# Altium PCB usb_can_8.PcbDoc (part 1 of 4) (continued)
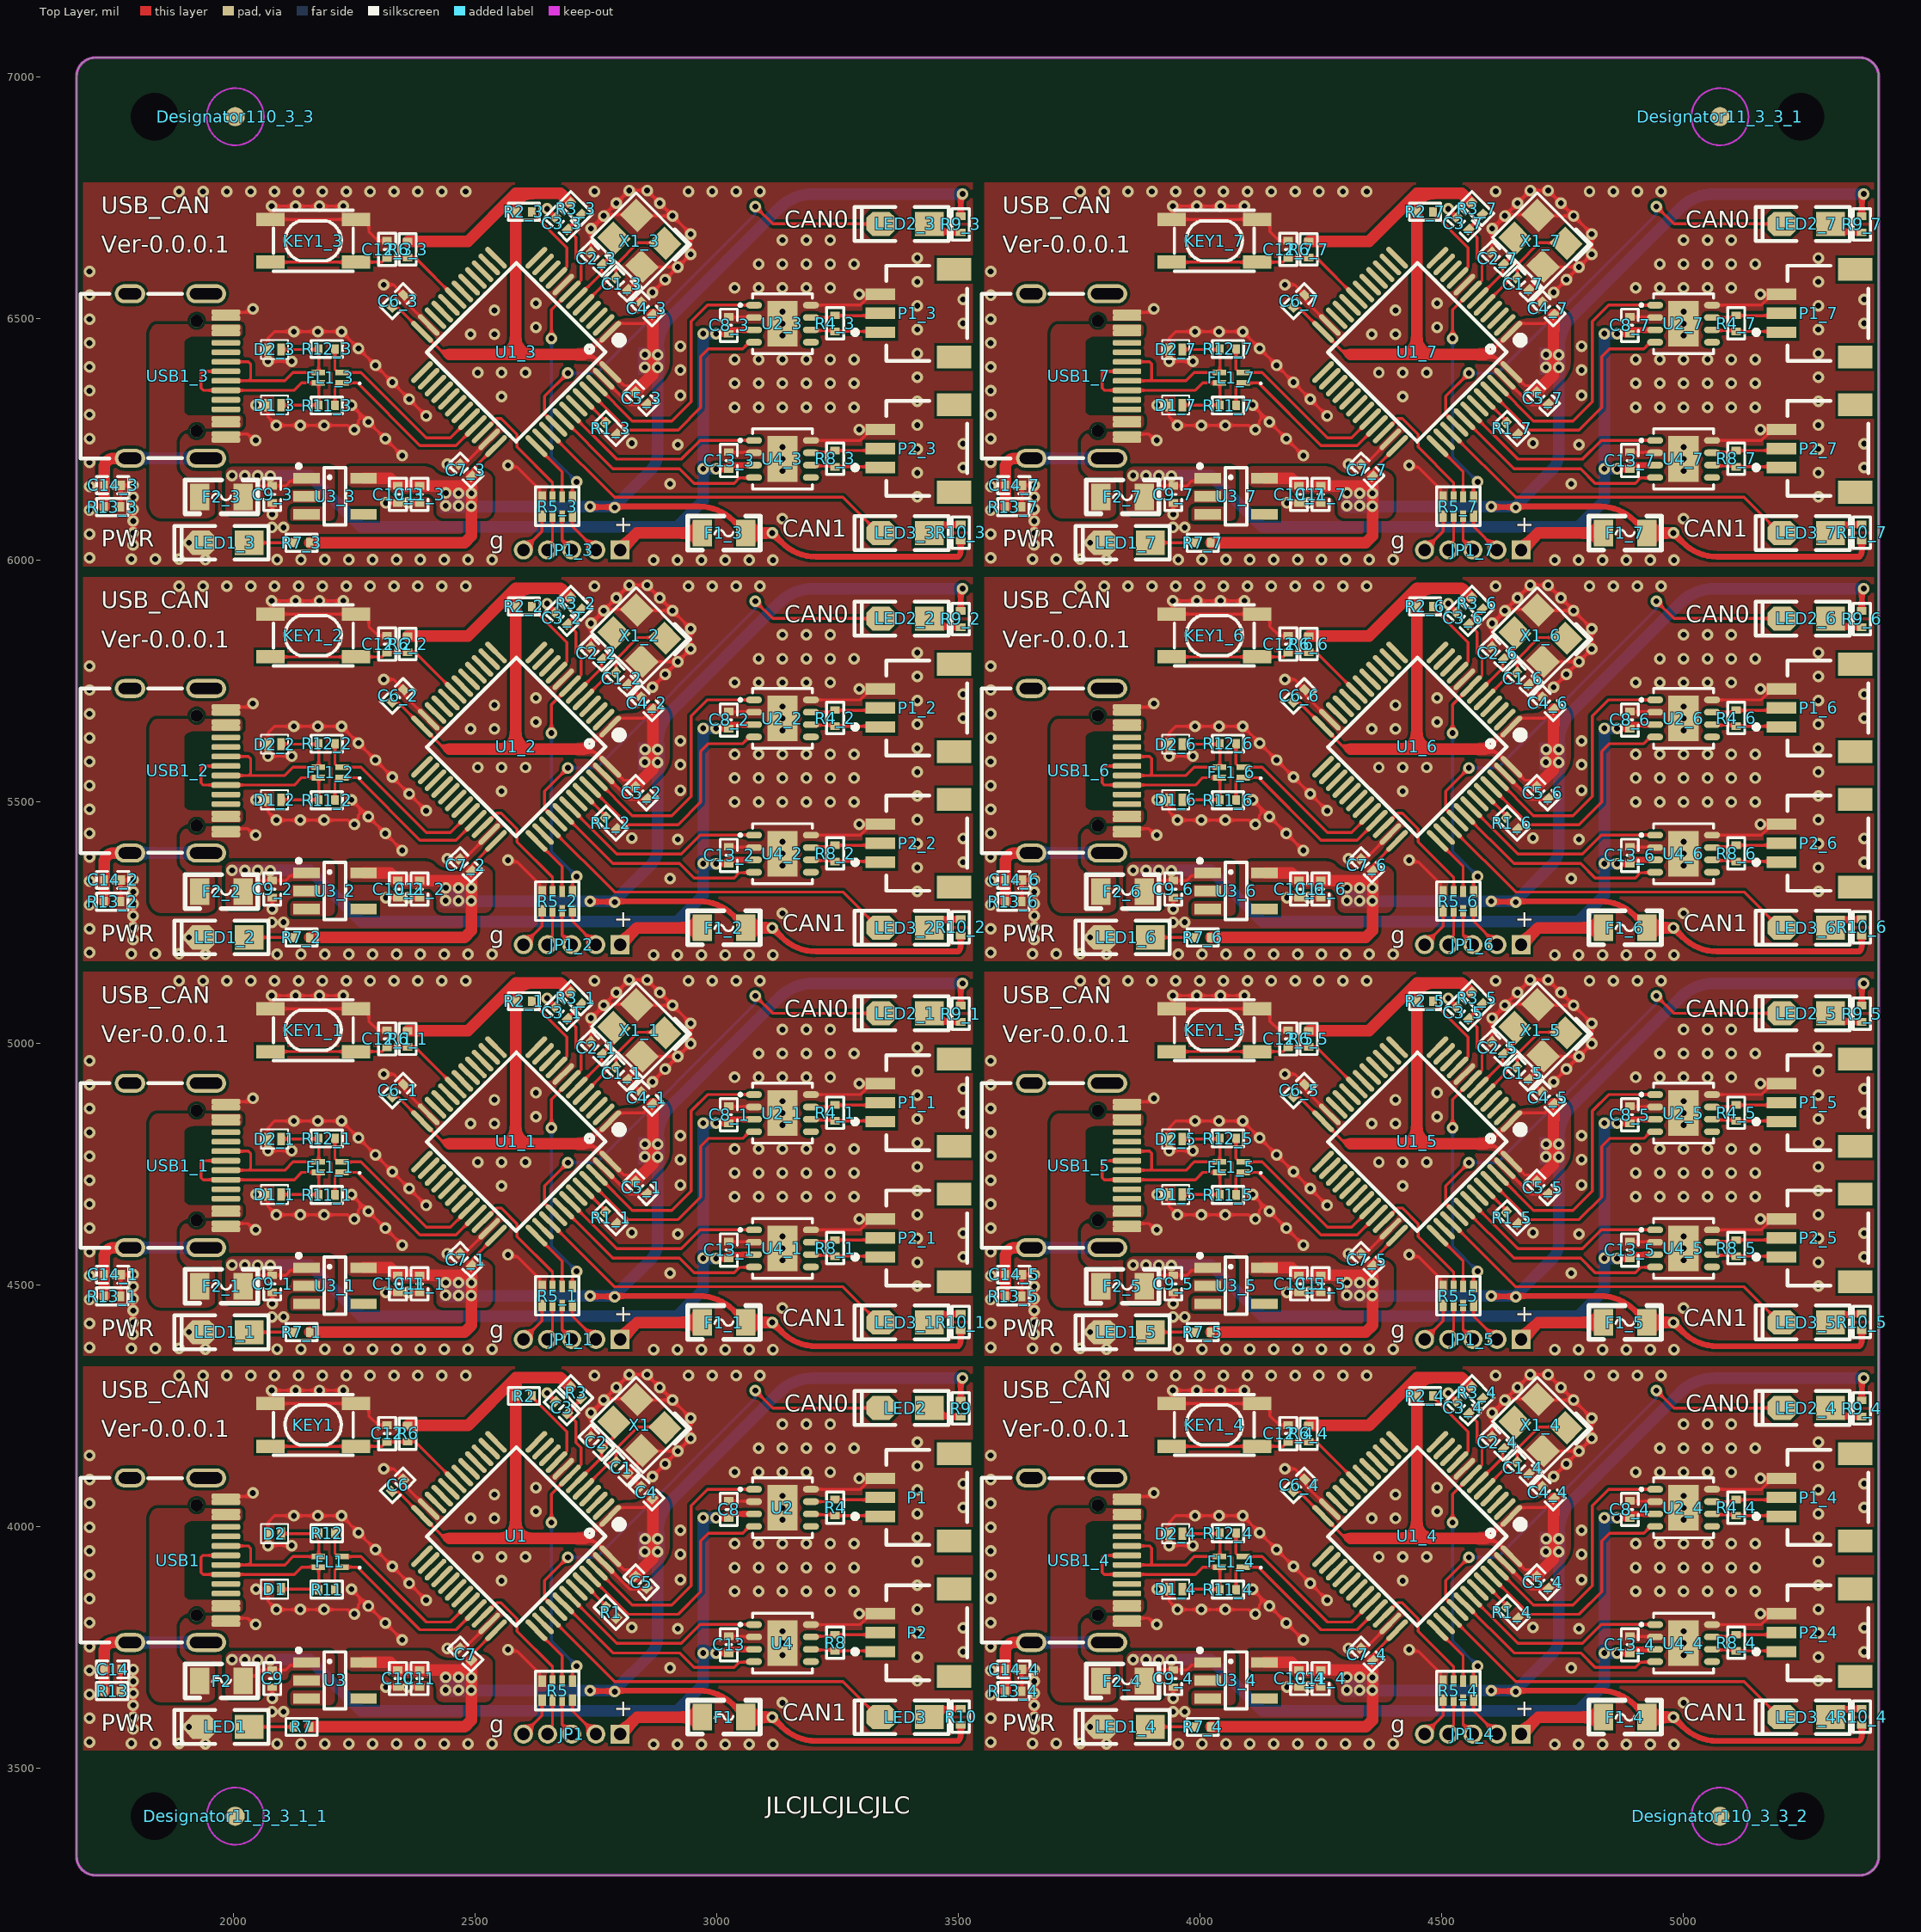
[diagram p0: Top Layer view]
## Components (designator, comment, footprint, x,y, rotation, side; value= is the part's Value field where it differs from the comment) (continued)
F1_2 "MSMD200-8V 2A" "FU 0805" 3015,5239 r180 top (schematic designator F1)
F1_3 "MSMD200-8V 2A" "FU 0805" 3015,6056 r180 top (schematic designator F1)
F1_4 "MSMD200-8V 2A" "FU 0805" 4880,3605 r180 top (schematic designator F1)
F1_5 "MSMD200-8V 2A" "FU 0805" 4880,4422 r180 top (schematic designator F1)
F1_6 "MSMD200-8V 2A" "FU 0805" 4880,5239 r180 top (schematic designator F1)
F1_7 "MSMD200-8V 2A" "FU 0805" 4880,6056 r180 top (schematic designator F1)
F2 "MSMD200-8V 2A" "FU 0805" 1975,3680 r0 top
F2_1 "MSMD200-8V 2A" "FU 0805" 1975,4497 r0 top (schematic designator F2)
F2_2 "MSMD200-8V 2A" "FU 0805" 1975,5314 r0 top (schematic designator F2)
F2_3 "MSMD200-8V 2A" "FU 0805" 1975,6131 r0 top (schematic designator F2)
F2_4 "MSMD200-8V 2A" "FU 0805" 3840,3680 r0 top (schematic designator F2)
F2_5 "MSMD200-8V 2A" "FU 0805" 3840,4497 r0 top (schematic designator F2)
F2_6 "MSMD200-8V 2A" "FU 0805" 3840,5314 r0 top (schematic designator F2)
F2_7 "MSMD200-8V 2A" "FU 0805" 3840,6131 r0 top (schematic designator F2)
FL1 "DLP11SN900HL2B" DLP11SA350HL2B 2200,3926.58 r180 top
FL1_1 "DLP11SN900HL2B" DLP11SA350HL2B 2200,4743.58 r180 top (schematic designator FL1)
FL1_2 "DLP11SN900HL2B" DLP11SA350HL2B 2200,5560.58 r180 top (schematic designator FL1)
FL1_3 "DLP11SN900HL2B" DLP11SA350HL2B 2200,6377.58 r180 top (schematic designator FL1)
FL1_4 "DLP11SN900HL2B" DLP11SA350HL2B 4065,3926.58 r180 top (schematic designator FL1)
FL1_5 "DLP11SN900HL2B" DLP11SA350HL2B 4065,4743.58 r180 top (schematic designator FL1)
FL1_6 "DLP11SN900HL2B" DLP11SA350HL2B 4065,5560.58 r180 top (schematic designator FL1)
FL1_7 "DLP11SN900HL2B" DLP11SA350HL2B 4065,6377.58 r180 top (schematic designator FL1)
JP1 "HDR-1X5" HDR-TH_5P-P1.27-V-M 2800,3570 r180 top
JP1_1 "HDR-1X5" HDR-TH_5P-P1.27-V-M 2800,4387 r180 top (schematic designator JP1)
JP1_2 "HDR-1X5" HDR-TH_5P-P1.27-V-M 2800,5204 r180 top (schematic designator JP1)
JP1_3 "HDR-1X5" HDR-TH_5P-P1.27-V-M 2800,6021 r180 top (schematic designator JP1)
JP1_4 "HDR-1X5" HDR-TH_5P-P1.27-V-M 4665,3570 r180 top (schematic designator JP1)
JP1_5 "HDR-1X5" HDR-TH_5P-P1.27-V-M 4665,4387 r180 top (schematic designator JP1)
JP1_6 "HDR-1X5" HDR-TH_5P-P1.27-V-M 4665,5204 r180 top (schematic designator JP1)
JP1_7 "HDR-1X5" HDR-TH_5P-P1.27-V-M 4665,6021 r180 top (schematic designator JP1)
KEY1 "KEY_SMD" SMD-3.2*4.2 2165,4210 r180 top
KEY1_1 "KEY_SMD" SMD-3.2*4.2 2165,5027 r180 top (schematic designator KEY1)
KEY1_2 "KEY_SMD" SMD-3.2*4.2 2165,5844 r180 top (schematic designator KEY1)
KEY1_3 "KEY_SMD" SMD-3.2*4.2 2165,6661 r180 top (schematic designator KEY1)
KEY1_4 "KEY_SMD" SMD-3.2*4.2 4030,4210 r180 top (schematic designator KEY1)
KEY1_5 "KEY_SMD" SMD-3.2*4.2 4030,5027 r180 top (schematic designator KEY1)
KEY1_6 "KEY_SMD" SMD-3.2*4.2 4030,5844 r180 top (schematic designator KEY1)
KEY1_7 "KEY_SMD" SMD-3.2*4.2 4030,6661 r180 top (schematic designator KEY1)
LED1 "红色" "LED 0805R" 1982.5,3585 r180 top
LED1_1 "红色" "LED 0805R" 1982.5,4402 r180 top (schematic designator LED1)
LED1_2 "红色" "LED 0805R" 1982.5,5219 r180 top (schematic designator LED1)
LED1_3 "红色" "LED 0805R" 1982.5,6036 r180 top (schematic designator LED1)
LED1_4 "红色" "LED 0805R" 3847.5,3585 r180 top (schematic designator LED1)
LED1_5 "红色" "LED 0805R" 3847.5,4402 r180 top (schematic designator LED1)
LED1_6 "红色" "LED 0805R" 3847.5,5219 r180 top (schematic designator LED1)
LED1_7 "红色" "LED 0805R" 3847.5,6036 r180 top (schematic designator LED1)
LED2 "蓝色" "LED 0805B" 3390,4245 r180 top
LED2_1 "蓝色" "LED 0805B" 3390,5062 r180 top (schematic designator LED2)
LED2_2 "蓝色" "LED 0805B" 3390,5879 r180 top (schematic designator LED2)
LED2_3 "蓝色" "LED 0805B" 3390,6696 r180 top (schematic designator LED2)
LED2_4 "蓝色" "LED 0805B" 5255,4245 r180 top (schematic designator LED2)
LED2_5 "蓝色" "LED 0805B" 5255,5062 r180 top (schematic designator LED2)
LED2_6 "蓝色" "LED 0805B" 5255,5879 r180 top (schematic designator LED2)
LED2_7 "蓝色" "LED 0805B" 5255,6696 r180 top (schematic designator LED2)
LED3 "蓝色" "LED 0805B" 3390,3605 r180 top
LED3_1 "蓝色" "LED 0805B" 3390,4422 r180 top (schematic designator LED3)
LED3_2 "蓝色" "LED 0805B" 3390,5239 r180 top (schematic designator LED3)
LED3_3 "蓝色" "LED 0805B" 3390,6056 r180 top (schematic designator LED3)
LED3_4 "蓝色" "LED 0805B" 5255,3605 r180 top (schematic designator LED3)
LED3_5 "蓝色" "LED 0805B" 5255,4422 r180 top (schematic designator LED3)
LED3_6 "蓝色" "LED 0805B" 5255,5239 r180 top (schematic designator LED3)
LED3_7 "蓝色" "LED 0805B" 5255,6056 r180 top (schematic designator LED3)
P1 "CAN0" JST-SM03B-SRSS-TB_V 3435,4060 r90 top
P1_1 "CAN0" JST-SM03B-SRSS-TB_V 3435,4877 r90 top (schematic designator P1)
P1_2 "CAN0" JST-SM03B-SRSS-TB_V 3435,5694 r90 top (schematic designator P1)
P1_3 "CAN0" JST-SM03B-SRSS-TB_V 3435,6511 r90 top (schematic designator P1)
P1_4 "CAN0" JST-SM03B-SRSS-TB_V 5300,4060 r90 top (schematic designator P1)
P1_5 "CAN0" JST-SM03B-SRSS-TB_V 5300,4877 r90 top (schematic designator P1)
P1_6 "CAN0" JST-SM03B-SRSS-TB_V 5300,5694 r90 top (schematic designator P1)
P1_7 "CAN0" JST-SM03B-SRSS-TB_V 5300,6511 r90 top (schematic designator P1)
P2 "CAN0" JST-SM03B-SRSS-TB_V 3435,3780 r90 top
P2_1 "CAN0" JST-SM03B-SRSS-TB_V 3435,4597 r90 top (schematic designator P2)
P2_2 "CAN0" JST-SM03B-SRSS-TB_V 3435,5414 r90 top (schematic designator P2)
P2_3 "CAN0" JST-SM03B-SRSS-TB_V 3435,6231 r90 top (schematic designator P2)
P2_4 "CAN0" JST-SM03B-SRSS-TB_V 5300,3780 r90 top (schematic designator P2)
P2_5 "CAN0" JST-SM03B-SRSS-TB_V 5300,4597 r90 top (schematic designator P2)
P2_6 "CAN0" JST-SM03B-SRSS-TB_V 5300,5414 r90 top (schematic designator P2)
P2_7 "CAN0" JST-SM03B-SRSS-TB_V 5300,6231 r90 top (schematic designator P2)
R1 "10K" "R 0402_L" 2780.43,3822.5 r315 top
R1_1 "10K" "R 0402_L" 2780.43,4639.5 r315 top (schematic designator R1)
R1_2 "10K" "R 0402_L" 2780.43,5456.5 r315 top (schematic designator R1)
R1_3 "10K" "R 0402_L" 2780.43,6273.5 r315 top (schematic designator R1)
R1_4 "10K" "R 0402_L" 4645.43,3822.5 r315 top (schematic designator R1)
R1_5 "10K" "R 0402_L" 4645.43,4639.5 r315 top (schematic designator R1)
R1_6 "10K" "R 0402_L" 4645.43,5456.5 r315 top (schematic designator R1)
R1_7 "10K" "R 0402_L" 4645.43,6273.5 r315 top (schematic designator R1)
R2 "0R" "R 0402_L" 2600,4270 r0 top
R2_1 "0R" "R 0402_L" 2600,5087 r0 top (schematic designator R2)
R2_2 "0R" "R 0402_L" 2600,5904 r0 top (schematic designator R2)
R2_3 "0R" "R 0402_L" 2600,6721 r0 top (schematic designator R2)
R2_4 "0R" "R 0402_L" 4465,4270 r0 top (schematic designator R2)
R2_5 "0R" "R 0402_L" 4465,5087 r0 top (schematic designator R2)
R2_6 "0R" "R 0402_L" 4465,5904 r0 top (schematic designator R2)
R2_7 "0R" "R 0402_L" 4465,6721 r0 top (schematic designator R2)
R3 "10K" "R 0402_L" 2709,4276 r135 top
R3_1 "10K" "R 0402_L" 2709,5093 r135 top (schematic designator R3)
R3_2 "10K" "R 0402_L" 2709,5910 r135 top (schematic designator R3)
R3_3 "10K" "R 0402_L" 2709,6727 r135 top (schematic designator R3)
R3_4 "10K" "R 0402_L" 4574,4276 r135 top (schematic designator R3)
R3_5 "10K" "R 0402_L" 4574,5093 r135 top (schematic designator R3)
R3_6 "10K" "R 0402_L" 4574,5910 r135 top (schematic designator R3)
R3_7 "10K" "R 0402_L" 4574,6727 r135 top (schematic designator R3)
R4 "120R" "R 0402_L" 3245,4040 r270 top
R4_1 "120R" "R 0402_L" 3245,4857 r270 top (schematic designator R4)
R4_2 "120R" "R 0402_L" 3245,5674 r270 top (schematic designator R4)
R4_3 "120R" "R 0402_L" 3245,6491 r270 top (schematic designator R4)
R4_4 "120R" "R 0402_L" 5110,4040 r270 top (schematic designator R4)
R4_5 "120R" "R 0402_L" 5110,4857 r270 top (schematic designator R4)
R4_6 "120R" "R 0402_L" 5110,5674 r270 top (schematic designator R4)
R4_7 "120R" "R 0402_L" 5110,6491 r270 top (schematic designator R4)
R5 "0R" RCA-8P4R-0402 2670,3660 r180 top
R5_1 "0R" RCA-8P4R-0402 2670,4477 r180 top (schematic designator R5)
R5_2 "0R" RCA-8P4R-0402 2670,5294 r180 top (schematic designator R5)
R5_3 "0R" RCA-8P4R-0402 2670,6111 r180 top (schematic designator R5)
R5_4 "0R" RCA-8P4R-0402 4535,3660 r180 top (schematic designator R5)
R5_5 "0R" RCA-8P4R-0402 4535,4477 r180 top (schematic designator R5)
R5_6 "0R" RCA-8P4R-0402 4535,5294 r180 top (schematic designator R5)
R5_7 "0R" RCA-8P4R-0402 4535,6111 r180 top (schematic designator R5)
R6 "10K" "R 0402_L" 2360.36,4193.05 r270 top
R6_1 "10K" "R 0402_L" 2360.36,5010.05 r270 top (schematic designator R6)
R6_2 "10K" "R 0402_L" 2360.36,5827.05 r270 top (schematic designator R6)
R6_3 "10K" "R 0402_L" 2360.36,6644.05 r270 top (schematic designator R6)
R6_4 "10K" "R 0402_L" 4225.36,4193.05 r270 top (schematic designator R6)
R6_5 "10K" "R 0402_L" 4225.36,5010.05 r270 top (schematic designator R6)
R6_6 "10K" "R 0402_L" 4225.36,5827.05 r270 top (schematic designator R6)
R6_7 "10K" "R 0402_L" 4225.36,6644.05 r270 top (schematic designator R6)
R7 "10K" "R 0402_L" 2140,3585 r0 top
R7_1 "10K" "R 0402_L" 2140,4402 r0 top (schematic designator R7)
R7_2 "10K" "R 0402_L" 2140,5219 r0 top (schematic designator R7)
R7_3 "10K" "R 0402_L" 2140,6036 r0 top (schematic designator R7)
R7_4 "10K" "R 0402_L" 4005,3585 r0 top (schematic designator R7)
R7_5 "10K" "R 0402_L" 4005,4402 r0 top (schematic designator R7)
R7_6 "10K" "R 0402_L" 4005,5219 r0 top (schematic designator R7)
R7_7 "10K" "R 0402_L" 4005,6036 r0 top (schematic designator R7)
R8 "120R" "R 0402_L" 3245,3760 r270 top
R8_1 "120R" "R 0402_L" 3245,4577 r270 top (schematic designator R8)
R8_2 "120R" "R 0402_L" 3245,5394 r270 top (schematic designator R8)
R8_3 "120R" "R 0402_L" 3245,6211 r270 top (schematic designator R8)
R8_4 "120R" "R 0402_L" 5110,3760 r270 top (schematic designator R8)
R8_5 "120R" "R 0402_L" 5110,4577 r270 top (schematic designator R8)
R8_6 "120R" "R 0402_L" 5110,5394 r270 top (schematic designator R8)
R8_7 "120R" "R 0402_L" 5110,6211 r270 top (schematic designator R8)
R9 "10K" "R 0402_L" 3505,4245 r270 top
R9_1 "10K" "R 0402_L" 3505,5062 r270 top (schematic designator R9)
R9_2 "10K" "R 0402_L" 3505,5879 r270 top (schematic designator R9)
R9_3 "10K" "R 0402_L" 3505,6696 r270 top (schematic designator R9)
R9_4 "10K" "R 0402_L" 5370,4245 r270 top (schematic designator R9)
R9_5 "10K" "R 0402_L" 5370,5062 r270 top (schematic designator R9)
R9_6 "10K" "R 0402_L" 5370,5879 r270 top (schematic designator R9)
R9_7 "10K" "R 0402_L" 5370,6696 r270 top (schematic designator R9)
R10 "10K" "R 0402_L" 3505,3605 r90 top
R10_1 "10K" "R 0402_L" 3505,4422 r90 top (schematic designator R10)
R10_2 "10K" "R 0402_L" 3505,5239 r90 top (schematic designator R10)
R10_3 "10K" "R 0402_L" 3505,6056 r90 top (schematic designator R10)
R10_4 "10K" "R 0402_L" 5370,3605 r90 top (schematic designator R10)
R10_5 "10K" "R 0402_L" 5370,4422 r90 top (schematic designator R10)
R10_6 "10K" "R 0402_L" 5370,5239 r90 top (schematic designator R10)
R10_7 "10K" "R 0402_L" 5370,6056 r90 top (schematic designator R10)
R11 "22R" "R 0402_L" 2194.08,3869.06 r180 top
R11_1 "22R" "R 0402_L" 2194.08,4686.06 r180 top (schematic designator R11)
R11_2 "22R" "R 0402_L" 2194.08,5503.06 r180 top (schematic designator R11)
R11_3 "22R" "R 0402_L" 2194.08,6320.06 r180 top (schematic designator R11)
R11_4 "22R" "R 0402_L" 4059.08,3869.06 r180 top (schematic designator R11)
R11_5 "22R" "R 0402_L" 4059.08,4686.06 r180 top (schematic designator R11)
R11_6 "22R" "R 0402_L" 4059.08,5503.06 r180 top (schematic designator R11)
R11_7 "22R" "R 0402_L" 4059.08,6320.06 r180 top (schematic designator R11)
R12 "22R" "R 0402_L" 2194.08,3985.93 r180 top
R12_1 "22R" "R 0402_L" 2194.08,4802.93 r180 top (schematic designator R12)
R12_2 "22R" "R 0402_L" 2194.08,5619.93 r180 top (schematic designator R12)
R12_3 "22R" "R 0402_L" 2194.08,6436.93 r180 top (schematic designator R12)
R12_4 "22R" "R 0402_L" 4059.08,3985.93 r180 top (schematic designator R12)
R12_5 "22R" "R 0402_L" 4059.08,4802.93 r180 top (schematic designator R12)
R12_6 "22R" "R 0402_L" 4059.08,5619.93 r180 top (schematic designator R12)
R12_7 "22R" "R 0402_L" 4059.08,6436.93 r180 top (schematic designator R12)
R13 "1M" "R 0402_L" 1750,3659 r180 top
R13_1 "1M" "R 0402_L" 1750,4476 r180 top (schematic designator R13)
R13_2 "1M" "R 0402_L" 1750,5293 r180 top (schematic designator R13)
R13_3 "1M" "R 0402_L" 1750,6110 r180 top (schematic designator R13)
R13_4 "1M" "R 0402_L" 3615,3659 r180 top (schematic designator R13)
R13_5 "1M" "R 0402_L" 3615,4476 r180 top (schematic designator R13)
R13_6 "1M" "R 0402_L" 3615,5293 r180 top (schematic designator R13)
R13_7 "1M" "R 0402_L" 3615,6110 r180 top (schematic designator R13)
U1 "GD32C103CBT6" LQFP-48_L7.0-W7.0-P0.50-LS9.0-BL 2585,3980 r135 top
U1_1 "GD32C103CBT6" LQFP-48_L7.0-W7.0-P0.50-LS9.0-BL 2585,4797 r135 top (schematic designator U1)
U1_2 "GD32C103CBT6" LQFP-48_L7.0-W7.0-P0.50-LS9.0-BL 2585,5614 r135 top (schematic designator U1)
U1_3 "GD32C103CBT6" LQFP-48_L7.0-W7.0-P0.50-LS9.0-BL 2585,6431 r135 top (schematic designator U1)
U1_4 "GD32C103CBT6" LQFP-48_L7.0-W7.0-P0.50-LS9.0-BL 4450,3980 r135 top (schematic designator U1)
U1_5 "GD32C103CBT6" LQFP-48_L7.0-W7.0-P0.50-LS9.0-BL 4450,4797 r135 top (schematic designator U1)
U1_6 "GD32C103CBT6" LQFP-48_L7.0-W7.0-P0.50-LS9.0-BL 4450,5614 r135 top (schematic designator U1)
U1_7 "GD32C103CBT6" LQFP-48_L7.0-W7.0-P0.50-LS9.0-BL 4450,6431 r135 top (schematic designator U1)
U2 "SIT1050TK" TDFN-8_L3.0-W3.0-P0.65-BL-EP 3136.14,4038.39 r270 top
U2_1 "SIT1050TK" TDFN-8_L3.0-W3.0-P0.65-BL-EP 3136.14,4855.39 r270 top (schematic designator U2)
U2_2 "SIT1050TK" TDFN-8_L3.0-W3.0-P0.65-BL-EP 3136.14,5672.39 r270 top (schematic designator U2)
U2_3 "SIT1050TK" TDFN-8_L3.0-W3.0-P0.65-BL-EP 3136.14,6489.39 r270 top (schematic designator U2)
U2_4 "SIT1050TK" TDFN-8_L3.0-W3.0-P0.65-BL-EP 5001.14,4038.39 r270 top (schematic designator U2)
U2_5 "SIT1050TK" TDFN-8_L3.0-W3.0-P0.65-BL-EP 5001.14,4855.39 r270 top (schematic designator U2)
U2_6 "SIT1050TK" TDFN-8_L3.0-W3.0-P0.65-BL-EP 5001.14,5672.39 r270 top (schematic designator U2)
U2_7 "SIT1050TK" TDFN-8_L3.0-W3.0-P0.65-BL-EP 5001.14,6489.39 r270 top (schematic designator U2)
U3 "RT9013-33GB" SOT23-5M 2210,3681.08 r270 top
U3_1 "RT9013-33GB" SOT23-5M 2210,4498.08 r270 top (schematic designator U3)
U3_2 "RT9013-33GB" SOT23-5M 2210,5315.08 r270 top (schematic designator U3)
U3_3 "RT9013-33GB" SOT23-5M 2210,6132.08 r270 top (schematic designator U3)
U3_4 "RT9013-33GB" SOT23-5M 4075,3681.08 r270 top (schematic designator U3)
U3_5 "RT9013-33GB" SOT23-5M 4075,4498.08 r270 top (schematic designator U3)
U3_6 "RT9013-33GB" SOT23-5M 4075,5315.08 r270 top (schematic designator U3)
U3_7 "RT9013-33GB" SOT23-5M 4075,6132.08 r270 top (schematic designator U3)
U4 "SIT1050TK" TDFN-8_L3.0-W3.0-P0.65-BL-EP 3136.14,3758.39 r270 top
U4_1 "SIT1050TK" TDFN-8_L3.0-W3.0-P0.65-BL-EP 3136.14,4575.39 r270 top (schematic designator U4)
U4_2 "SIT1050TK" TDFN-8_L3.0-W3.0-P0.65-BL-EP 3136.14,5392.39 r270 top (schematic designator U4)
U4_3 "SIT1050TK" TDFN-8_L3.0-W3.0-P0.65-BL-EP 3136.14,6209.39 r270 top (schematic designator U4)
U4_4 "SIT1050TK" TDFN-8_L3.0-W3.0-P0.65-BL-EP 5001.14,3758.39 r270 top (schematic designator U4)
U4_5 "SIT1050TK" TDFN-8_L3.0-W3.0-P0.65-BL-EP 5001.14,4575.39 r270 top (schematic designator U4)
U4_6 "SIT1050TK" TDFN-8_L3.0-W3.0-P0.65-BL-EP 5001.14,5392.39 r270 top (schematic designator U4)
U4_7 "SIT1050TK" TDFN-8_L3.0-W3.0-P0.65-BL-EP 5001.14,6209.39 r270 top (schematic designator U4)
USB1 "USB_Type-C" Type-C-TOP 1885,3930 r180 top
USB1_1 "USB_Type-C" Type-C-TOP 1885,4747 r180 top (schematic designator USB1)
USB1_2 "USB_Type-C" Type-C-TOP 1885,5564 r180 top (schematic designator USB1)
USB1_3 "USB_Type-C" Type-C-TOP 1885,6381 r180 top (schematic designator USB1)
USB1_4 "USB_Type-C" Type-C-TOP 3750,3930 r180 top (schematic designator USB1)
USB1_5 "USB_Type-C" Type-C-TOP 3750,4747 r180 top (schematic designator USB1)
USB1_6 "USB_Type-C" Type-C-TOP 3750,5564 r180 top (schematic designator USB1)
USB1_7 "USB_Type-C" Type-C-TOP 3750,6381 r180 top (schematic designator USB1)
X1 "8M" "OSC 3225-4P" 2840,4210 r135 top
X1_1 "8M" "OSC 3225-4P" 2840,5027 r135 top (schematic designator X1)
X1_2 "8M" "OSC 3225-4P" 2840,5844 r135 top (schematic designator X1)
X1_3 "8M" "OSC 3225-4P" 2840,6661 r135 top (schematic designator X1)
X1_4 "8M" "OSC 3225-4P" 4705,4210 r135 top (schematic designator X1)
X1_5 "8M" "OSC 3225-4P" 4705,5027 r135 top (schematic designator X1)
X1_6 "8M" "OSC 3225-4P" 4705,5844 r135 top (schematic designator X1)
X1_7 "8M" "OSC 3225-4P" 4705,6661 r135 top (schematic designator X1)

## Footprints (in the part's own frame and the unit in brackets; to place one, negate y for a bottom-side part, rotate by r counter-clockwise, add the part's x,y. Pads: shape width x height; smd on the part's side, far side on the other; paste and mask are expansions set on the pad)
"C 0402_L" [mm] "无极性贴片电容         淘宝ID:黄晶宝石"
  rect 0.4x0.5 smd: 1(-0.45,0) 2(0.45,0)
  silkscreen extent -0.85,-0.45 0.85,0.45, body extent -0.5,-0.26 0.5,0.26, height 0.53
DLP11SA350HL2B [mm]
  rect 0.7x0.3 smd: 1(-0.625,0.275) 2(0.625,0.275) 3(0.625,-0.275) 4(-0.625,-0.275)
  silkscreen extent -1.6,0.25 -1.5,0.35, body extent -0.63,-0.5 0.63,0.5, height 0.82
"FU 0805" [mil] "贴片保险丝"
  rect 40x55 smd: 1(-45,0) 2(45,0)
  silkscreen extent -75,-35 75,35, body extent -39,-24 39,24, height 20
HDR-TH_5P-P1.27-V-M [mm]
  rect 1x1 hole 0.65: 1(0,0)
  round 1 hole 0.65: 2(1.27,0) 3(2.54,0) 4(3.81,0) 5(5.08,0)
JST-SM03B-SRSS-TB_V [mm] "SMD, 3-Leads, Body 5x4.25mm, Pitch 1mm"
  rect 0.6x1.55 smd: 1(-1,2.45) 2(0,2.45) 3(1,2.45)
  rect 1.2x1.8 smd: MP1(-2.3,-1.425) MP2(2.3,-1.425)
  silkscreen extent -2.5,-2.12 2.5,3.9, body extent -2.5,-2.12 2.5,2.83, height 2.9
"LED 0805B" [mil] "蓝色0805LED                                    淘宝ID:黄晶宝石"
  rect 60x50 smd: 1(-50,0)
  oct 60x50 smd: 2(50,0)
  silkscreen extent -90,-35 105,35, body extent -39,-25 39,25, height 32
"LED 0805R" [mil] "红色0805LED                                       淘宝ID:黄晶宝石"
  rect 60x50 smd: 1(-50,0)
  oct 60x50 smd: 2(50,0)
  silkscreen extent -90,-35 105,35, body extent -39,-25 39,25, height 32
LQFP-48_L7.0-W7.0-P0.50-LS9.0-BL [mm]
  oval 0.27x1.5 smd: 1(-2.75,-4.25) 2(-2.25,-4.25) 3(-1.75,-4.25) 4(-1.25,-4.25) 5(-0.75,-4.25) 6(-0.25,-4.25) 7(0.25,-4.25) 8(0.75,-4.25) 9(1.25,-4.25) 10(1.75,-4.25) 11(2.25,-4.25) 12(2.75,-4.25) 25(2.75,4.25) 26(2.25,4.25) 27(1.75,4.25) 28(1.25,4.25) 29(0.75,4.25) 30(0.25,4.25) 31(-0.25,4.25) 32(-0.75,4.25) 33(-1.25,4.25) 34(-1.75,4.25) 35(-2.25,4.25) 36(-2.75,4.25)
  oval 1.5x0.27 smd: 13(4.25,-2.75) 14(4.25,-2.25) 15(4.25,-1.75) 16(4.25,-1.25) 17(4.25,-0.75) 18(4.25,-0.25) 19(4.25,0.25) 20(4.25,0.75) 21(4.25,1.25) 22(4.25,1.75) 23(4.25,2.25) 24(4.25,2.75) 37(-4.25,2.75) 38(-4.25,2.25) 39(-4.25,1.75) 40(-4.25,1.25) 41(-4.25,0.75) 42(-4.25,0.25) 43(-4.25,-0.25) 44(-4.25,-0.75) 45(-4.25,-1.25) 46(-4.25,-1.75) 47(-4.25,-2.25) 48(-4.25,-2.75)
  silkscreen extent -3.59,-4.46 3.3,3.34, body extent -4.5,-4.5 4.5,4.5, height 1.5
"Mark 1" [mm] "光学定位点，直径1mm"
  round 1 smd paste-1 mask+0.7: Mark(0,0)
  Keep-Out Layer circle w0.1: c0,0 r1.5
"OSC 3225-4P" [mm] "3.2*2.5*0.7mm(长宽高)                         淘宝ID:黄晶宝石"
  rect 1.3x1.2 smd: 1(-1.05,-0.85) 2(1.05,-0.85) 3(1.05,0.85) 4(-1.05,0.85)
  silkscreen extent -2.03,-1.75 1.9,1.65, body extent -1.6,-1.25 1.6,1.25, height 0.7
"R 0402_L" [mm] "1/16W贴片电阻     淘宝ID:黄晶宝石"
  rect 0.4x0.5 smd: 1(-0.4,0) 2(0.45,0)
  silkscreen extent -0.8,-0.45 0.85,0.45, body extent -0.5,-0.25 0.5,0.25, height 0.3
RCA-8P4R-0402 [mm] "2mm*1mm*0.45mm(长*宽*厚)"
  rect 0.4x0.6 smd: 1(-0.8,-0.5) 4(0.8,-0.5) 5(0.8,0.5) 8(-0.8,0.5)
  rect 0.3x0.6 smd: 2(-0.25,-0.5) 3(0.25,-0.5) 6(0.25,0.5) 7(-0.25,0.5)
  silkscreen extent -1.14,-1.02 1.15,1.01, body extent -1,-0.5 1,0.5, height 0.45
SMD-3.2*4.2 [mm]
  rect 1.5x0.7 smd: 1(-2.25,1.125) 1(2.25,1.125) 2(-2.25,-1.125) 2(2.25,-1.125)
  silkscreen extent -2.1,-1.6 2.1,1.6, body extent -2.73,-1.6 2.47,1.58, height 1.8
SOD-882_L1.0-W0.6-BI [mm]
  rect 0.4x0.65 smd: 1(-0.35,0) 2(0.35,0)
  silkscreen extent -0.71,-0.5 0.71,0.5, body extent -0.51,-0.3 0.49,0.3, height 0.43
SOT23-5M [mm] "3x1.6x1.1mm(长宽高) 封装库来自淘宝卖家 ID：黄晶宝石"
  rect 0.55x1.4 smd: 1(-0.95,-1.5) 2(0,-1.5) 3(0.95,-1.5) 4(0.95,1.5) 5(-0.95,1.5)
  silkscreen extent -1.66,-1.98 1.5,0.56, body extent -1.5,-1.4 1.5,1.4, height 1.15
TDFN-8_L3.0-W3.0-P0.65-BL-EP [mm]
  oval 0.35x0.84 smd: 1(-0.975,-1.495) 2(-0.325,-1.495) 3(0.325,-1.495) 4(0.975,-1.495) 5(0.975,1.495) 6(0.325,1.495) 7(-0.325,1.495) 8(-0.975,1.495)
  rect 2.4x1.6 smd: 9(0,0)
  silkscreen extent -1.58,-2.29 1.58,1.58, body extent -1.68,-1.68 1.68,1.68, height 1
Type-C-TOP [mm]
  round 0.65 hole 0.65: 0(-0.98,2.89) 0(-0.98,-2.89)
  oval 1.6x1 hole 0.6 slot 1.2 at 0 deg: 1(2.52,4.325) 2(2.52,-4.325)
  oval 2.1x1 hole 0.6 slot 1.7 at 0 deg: 3(-1.48,-4.325) 4(-1.48,4.325)
  rrect50% 1.5x0.3 smd: A1(-2.52,-3.35) A4(-2.52,-2.55) A5(-2.52,-1.25) A6(-2.52,-0.25) A7(-2.52,0.25) A8(-2.52,1.25) A9(-2.52,2.55) A12(-2.52,3.35) B1(-2.52,3.05) B4(-2.52,2.25) B5(-2.52,1.75) B6(-2.52,0.75) B7(-2.52,-0.75) B8(-2.52,-1.75) B9(-2.52,-2.25) B12(-2.52,-3.05)
  silkscreen extent -0.22,-4.33 5.12,4.33, body extent -2.64,-4.48 5.26,4.46, height 3.28

## Part data
C1 C1_1 C1_2 C1_3 C1_4 C1_5 C1_6 C1_7 C2 C2_1 C2_2 C2_3 C2_4 C2_5 C2_6 C2_7 C3 C3_1 C3_2 C3_3 C3_4 C3_5 C3_6 C3_7 C4 C4_1 C4_2 C4_3 C4_4 C4_5 C4_6 C4_7 C5 C5_1 C5_2 C5_3 C5_4 C5_5 C5_6 C5_7 C6 C6_1 C6_2 C6_3 C6_4 C6_5 C6_6 C6_7 C7 C7_1 C7_2 C7_3 C7_4 C7_5 C7_6 C7_7 C8 C8_1 C8_2 C8_3 C8_4 C8_5 C8_6 C8_7 C9 C9_1 C9_2 C9_3 C9_4 C9_5 C9_6 C9_7 C10 C10_1 C10_2 C10_3 C10_4 C10_5 C10_6 C10_7 C11 C11_1 C11_2 C11_3 C11_4 C11_5 C11_6 C11_7 C12 C12_1 C12_2 C12_3 C12_4 C12_5 C12_6 C12_7 C13 C13_1 C13_2 C13_3 C13_4 C13_5 C13_6 C13_7 C14 C14_1 C14_2 C14_3 C14_4 C14_5 C14_6 C14_7: library part C, "贴片电容"
D1 D1_1 D1_2 D1_3 D1_4 D1_5 D1_6 D1_7 D2 D2_1 D2_2 D2_3 D2_4 D2_5 D2_6 D2_7: "PESD5V0F1BL,315、ESD二极管、5.5V"
F1 F1_1 F1_2 F1_3 F1_4 F1_5 F1_6 F1_7 F2 F2_1 F2_2 F2_3 F2_4 F2_5 F2_6 F2_7: library part FU, "贴片保险丝"
FL1 FL1_1 FL1_2 FL1_3 FL1_4 FL1_5 FL1_6 FL1_7: "Filter", Manufacturer_Name="Murata Electronics", Mouser Part Number=81-DLP11SN900HL2B, Datasheet Link=https://www.murata.com/en-us/products/productdetail?partno=DLP11SN900HL2%23, Height=0.92mm, Manufacturer_Part_Number=DLP11SN900HL2B, Mouser Price/Stock=https://www.mouser.co.uk/ProductDetail/Murata-Electronics/DLP11SN900HL2B?qs=%2F%252BYoplLUB5ikZtvOhZcMEg%3D%3D
JP1 JP1_1 JP1_2 JP1_3 JP1_4 JP1_5 JP1_6 JP1_7: library part SWD, "5P接插件"
LED1 LED1_1 LED1_2 LED1_3 LED1_4 LED1_5 LED1_6 LED1_7 LED2 LED2_1 LED2_2 LED2_3 LED2_4 LED2_5 LED2_6 LED2_7 LED3 LED3_1 LED3_2 LED3_3 LED3_4 LED3_5 LED3_6 LED3_7: library part LED-SMD, "贴片LED"
P1 P1_1 P1_2 P1_3 P1_4 P1_5 P1_6 P1_7 P2 P2_1 P2_2 P2_3 P2_4 P2_5 P2_6 P2_7: library part SM03B-SRSS-TB(LF)(SN), "Male Header, Pitch 1 mm, 1 x 3 Position, Height 2.9 mm, -25 to 85 degC, RoHS, Tape and Reel", Manufacturer=JST, Package Description="Male Header, Pitch 1 mm, 1 x 3 Position, Height 2.9 mm", Package Reference=SM03B-SRSS-TB, Datasheet URL=http://www.jst-mfg.com/product/pdf/eng/eSR.pdf, Datasheet Version=05/2016, Manufacturer URL=http://www.jst.com/home2.html, Mounting Technology=SurfaceMount, No of Positions=3, Pitch=1mm, Style/Orientation=RightAngleHeader/Plug, Termination=Crimp, Type=ShroudedHeader
R1 R1_1 R1_2 R1_3 R1_4 R1_5 R1_6 R1_7 R2 R2_1 R2_2 R2_3 R2_4 R2_5 R2_6 R2_7 R3 R3_1 R3_2 R3_3 R3_4 R3_5 R3_6 R3_7 R4 R4_1 R4_2 R4_3 R4_4 R4_5 R4_6 R4_7 R6 R6_1 R6_2 R6_3 R6_4 R6_5 R6_6 R6_7 R7 R7_1 R7_2 R7_3 R7_4 R7_5 R7_6 R7_7 R8 R8_1 R8_2 R8_3 R8_4 R8_5 R8_6 R8_7 R9 R9_1 R9_2 R9_3 R9_4 R9_5 R9_6 R9_7 R10 R10_1 R10_2 R10_3 R10_4 R10_5 R10_6 R10_7 R11 R11_1 R11_2 R11_3 R11_4 R11_5 R11_6 R11_7 R12 R12_1 R12_2 R12_3 R12_4 R12_5 R12_6 R12_7 R13 R13_1 R13_2 R13_3 R13_4 R13_5 R13_6 R13_7: library part R, "贴片电阻"
R5 R5_1 R5_2 R5_3 R5_4 R5_5 R5_6 R5_7: library part R-8P4R, "贴片排阻"
U1 U1_1 U1_2 U1_3 U1_4 U1_5 U1_6 U1_7: BOM_JLCPCB Part Class="Extended Part", BOM_Manufacturer=null, BOM_Manufacturer Part=GD32C103CBT6, BOM_Supplier=LCSC, BOM_Supplier Part=C2885643, Contributor=LCSC, spicePre=U, spiceSymbolName=GD32C103CBT6
U2 U2_1 U2_2 U2_3 U2_4 U2_5 U2_6 U2_7 U4 U4_1 U4_2 U4_3 U4_4 U4_5 U4_6 U4_7: BOM_JLCPCB Part Class="Extended Part", BOM_Manufacturer=SIT, BOM_Manufacturer Part=SIT1050TK, BOM_Supplier=LCSC, BOM_Supplier Part=C427444, Contributor=LCSC, spicePre=U, spiceSymbolName=SIT1050TK
X1 X1_1 X1_2 X1_3 X1_4 X1_5 X1_6 X1_7: library part XTAL-4P, "4脚无源晶振"

## Free pads (board coordinates)
  round 78.74 hole 98.43: 1(1836.54,3400.16) 1(1836.54,6917.84) 1(5243.46,3400.16) 1(5243.46,6917.84)

## Via types
v1: diameter 24, hole 12, Top Layer to Bottom Layer, tented both sides, 1600 vias

## Nets (pads, with @x,y where several pads share a name; then routed paths per layer and width w, separated by ;. In a path a pad name is that pad's centre, name@x,y a point inside that pad or via, vN(x,y) a via of type N, cw(c..) or ccw(c..) an arc to the next point about the centre after c; other vN are vias at no path point)
CAN0_N: P1.1 P1_1.1 P1_2.1 P1_3.1 P1_4.1 P1_5.1 P1_6.1 P1_7.1 R4.2 R4_1.2 R4_2.2 R4_3.2 R4_4.2 R4_5.2 R4_6.2 R4_7.2 U2.6 U2_1.6 U2_2.6 U2_3.6 U2_4.6 U2_5.6 U2_6.6 U2_7.6 | length 1164.8
  Top Layer w6: U2.6@3195,4025.59 3196.49,4024.1 3243.18,4024.1 R4.2@3245,4022.29 3336.89,4022.29 P1.1@3338.54,4020.63 ; U2_1.6@3195,4842.59 3196.49,4841.1 3243.18,4841.1 R4_1.2@3245,4839.29 3336.89,4839.29 P1_1.1@3338.54,4837.63 ; U2_2.6@3195,5659.59 3196.49,5658.1 3243.18,5658.1 R4_2.2@3245,5656.29 3336.89,5656.29 P1_2.1@3338.54,5654.63 ; U2_3.6@3195,6476.59 3196.49,6475.1 3243.18,6475.1 R4_3.2@3245,6473.29 3336.89,6473.29 P1_3.1@3338.54,6471.63 ; U2_4.6@5060,4025.59 5061.49,4024.1 5108.18,4024.1 R4_4.2@5110,4022.29 5201.89,4022.29 P1_4.1@5203.54,4020.63 ; U2_5.6@5060,4842.59 5061.49,4841.1 5108.18,4841.1 R4_5.2@5110,4839.29 5201.89,4839.29 P1_5.1@5203.54,4837.63 ; U2_6.6@5060,5659.59 5061.49,5658.1 5108.18,5658.1 R4_6.2@5110,5656.29 5201.89,5656.29 P1_6.1@5203.54,5654.63 ; U2_7.6@5060,6476.59 5061.49,6475.1 5108.18,6475.1 R4_7.2@5110,6473.29 5201.89,6473.29 P1_7.1@5203.54,6471.63
CAN0_P: P1.2 P1_1.2 P1_2.2 P1_3.2 P1_4.2 P1_5.2 P1_6.2 P1_7.2 R4.1 R4_1.1 R4_2.1 R4_3.1 R4_4.1 R4_5.1 R4_6.1 R4_7.1 U2.7 U2_1.7 U2_2.7 U2_3.7 U2_4.7 U2_5.7 U2_6.7 U2_7.7 | length 1182.5
  Top Layer w6: U2.7@3195,4051.18 3240.43,4051.18 R4.1@3245,4055.75 3245.75,4055 3333.54,4055 P1.2@3338.54,4060 ; U2_1.7@3195,4868.18 3240.43,4868.18 R4_1.1@3245,4872.75 3245.75,4872 3333.54,4872 P1_1.2@3338.54,4877 ; U2_2.7@3195,5685.18 3240.43,5685.18 R4_2.1@3245,5689.75 3245.75,5689 3333.54,5689 P1_2.2@3338.54,5694 ; U2_3.7@3195,6502.18 3240.43,6502.18 R4_3.1@3245,6506.75 3245.75,6506 3333.54,6506 P1_3.2@3338.54,6511 ; U2_4.7@5060,4051.18 5105.43,4051.18 R4_4.1@5110,4055.75 5110.75,4055 5198.54,4055 P1_4.2@5203.54,4060 ; U2_5.7@5060,4868.18 5105.43,4868.18 R4_5.1@5110,4872.75 5110.75,4872 5198.54,4872 P1_5.2@5203.54,4877 ; U2_6.7@5060,5685.18 5105.43,5685.18 R4_6.1@5110,5689.75 5110.75,5689 5198.54,5689 P1_6.2@5203.54,5694 ; U2_7.7@5060,6502.18 5105.43,6502.18 R4_7.1@5110,6506.75 5110.75,6506 5198.54,6506 P1_7.2@5203.54,6511
CAN0_RX(PB8): U1.45 U1_1.45 U1_2.45 U1_3.45 U1_4.45 U1_5.45 U1_6.45 U1_7.45 U2.4 U2_1.4 U2_2.4 U2_3.4 U2_4.4 U2_5.4 U2_6.4 U2_7.4 | length 4068.6
  Top Layer w6: U1.45@2738.11,3896.48 2816.59,3818 2920,3818 2967,3865 2967,3970 2983,3986 3053.64,3986 3067.64,4000 U2.4@3077.28,4000 ; U1_1.45@2738.11,4713.48 2816.59,4635 2920,4635 2967,4682 2967,4787 2983,4803 3053.64,4803 3067.64,4817 U2_1.4@3077.28,4817 ; U1_2.45@2738.11,5530.48 2816.59,5452 2920,5452 2967,5499 2967,5604 2983,5620 3053.64,5620 3067.64,5634 U2_2.4@3077.28,5634 ; U1_3.45@2738.11,6347.48 2816.59,6269 2920,6269 2967,6316 2967,6421 2983,6437 3053.64,6437 3067.64,6451 U2_3.4@3077.28,6451 ; U1_4.45@4603.11,3896.48 4681.59,3818 4785,3818 4832,3865 4832,3970 4848,3986 4918.64,3986 4932.64,4000 U2_4.4@4942.28,4000 ; U1_5.45@4603.11,4713.48 4681.59,4635 4785,4635 4832,4682 4832,4787 4848,4803 4918.64,4803 4932.64,4817 U2_5.4@4942.28,4817 ; U1_6.45@4603.11,5530.48 4681.59,5452 4785,5452 4832,5499 4832,5604 4848,5620 4918.64,5620 4932.64,5634 U2_6.4@4942.28,5634 ; U1_7.45@4603.11,6347.48 4681.59,6269 4785,6269 4832,6316 4832,6421 4848,6437 4918.64,6437 4932.64,6451 U2_7.4@4942.28,6451
CAN0_TX(PB9): U1.46 U1_1.46 U1_2.46 U1_3.46 U1_4.46 U1_5.46 U1_6.46 U1_7.46 U2.1 U2_1.1 U2_2.1 U2_3.1 U2_4.1 U2_5.1 U2_6.1 U2_7.1 | length 4417.7
  Top Layer w6: U1.46@2752.03,3910.41 2825.43,3837 2907,3837 2947,3877 2947,4043 2980.77,4076.77 U2.1@3077.28,4076.77 ; U1_1.46@2752.03,4727.41 2825.43,4654 2907,4654 2947,4694 2947,4860 2980.77,4893.77 U2_1.1@3077.28,4893.77 ; U1_2.46@2752.03,5544.41 2825.43,5471 2907,5471 2947,5511 2947,5677 2980.77,5710.77 U2_2.1@3077.28,5710.77 ; U1_3.46@2752.03,6361.41 2825.43,6288 2907,6288 2947,6328 2947,6494 2980.77,6527.77 U2_3.1@3077.28,6527.77 ; U1_4.46@4617.03,3910.41 4690.44,3837 4772,3837 4812,3877 4812,4043 4845.77,4076.77 U2_4.1@4942.28,4076.77 ; U1_5.46@4617.03,4727.41 4690.44,4654 4772,4654 4812,4694 4812,4860 4845.77,4893.77 U2_5.1@4942.28,4893.77 ; U1_6.46@4617.03,5544.41 4690.44,5471 4772,5471 4812,5511 4812,5677 4845.77,5710.77 U2_6.1@4942.28,5710.77 ; U1_7.46@4617.03,6361.41 4690.44,6288 4772,6288 4812,6328 4812,6494 4845.77,6527.77 U2_7.1@4942.28,6527.77
CAN1_N: P2.1 P2_1.1 P2_2.1 P2_3.1 P2_4.1 P2_5.1 P2_6.1 P2_7.1 R8.2 R8_1.2 R8_2.2 R8_3.2 R8_4.2 R8_5.2 R8_6.2 R8_7.2 U4.6 U4_1.6 U4_2.6 U4_3.6 U4_4.6 U4_5.6 U4_6.6 U4_7.6 | length 1164.8
  Top Layer w6: U4.6@3195,3745.59 3196.49,3744.1 3243.18,3744.1 R8.2@3245,3742.29 3336.89,3742.29 P2.1@3338.54,3740.63 ; U4_1.6@3195,4562.59 3196.49,4561.1 3243.18,4561.1 R8_1.2@3245,4559.29 3336.89,4559.29 P2_1.1@3338.54,4557.63 ; U4_2.6@3195,5379.59 3196.49,5378.1 3243.18,5378.1 R8_2.2@3245,5376.29 3336.89,5376.29 P2_2.1@3338.54,5374.63 ; U4_3.6@3195,6196.59 3196.49,6195.1 3243.18,6195.1 R8_3.2@3245,6193.29 3336.89,6193.29 P2_3.1@3338.54,6191.63 ; U4_4.6@5060,3745.59 5061.49,3744.1 5108.18,3744.1 R8_4.2@5110,3742.29 5201.89,3742.29 P2_4.1@5203.54,3740.63 ; U4_5.6@5060,4562.59 5061.49,4561.1 5108.18,4561.1 R8_5.2@5110,4559.29 5201.89,4559.29 P2_5.1@5203.54,4557.63 ; U4_6.6@5060,5379.59 5061.49,5378.1 5108.18,5378.1 R8_6.2@5110,5376.29 5201.89,5376.29 P2_6.1@5203.54,5374.63 ; U4_7.6@5060,6196.59 5061.49,6195.1 5108.18,6195.1 R8_7.2@5110,6193.29 5201.89,6193.29 P2_7.1@5203.54,6191.63
CAN1_P: P2.2 P2_1.2 P2_2.2 P2_3.2 P2_4.2 P2_5.2 P2_6.2 P2_7.2 R8.1 R8_1.1 R8_2.1 R8_3.1 R8_4.1 R8_5.1 R8_6.1 R8_7.1 U4.7 U4_1.7 U4_2.7 U4_3.7 U4_4.7 U4_5.7 U4_6.7 U4_7.7 | length 1177.6
  Top Layer w6: U4.7@3195,3771.18 3196.49,3772.67 3241.92,3772.67 R8.1@3245,3775.75 3334.29,3775.75 P2.2@3338.54,3780 ; U4_1.7@3195,4588.18 3196.49,4589.67 3241.92,4589.67 R8_1.1@3245,4592.75 3334.29,4592.75 P2_1.2@3338.54,4597 ; U4_2.7@3195,5405.18 3196.49,5406.67 3241.92,5406.67 R8_2.1@3245,5409.75 3334.29,5409.75 P2_2.2@3338.54,5414 ; U4_3.7@3195,6222.18 3196.49,6223.67 3241.92,6223.67 R8_3.1@3245,6226.75 3334.29,6226.75 P2_3.2@3338.54,6231 ; U4_4.7@5060,3771.18 5061.49,3772.67 5106.92,3772.67 R8_4.1@5110,3775.75 5199.29,3775.75 P2_4.2@5203.54,3780 ; U4_5.7@5060,4588.18 5061.49,4589.67 5106.92,4589.67 R8_5.1@5110,4592.75 5199.29,4592.75 P2_5.2@5203.54,4597 ; U4_6.7@5060,5405.18 5061.49,5406.67 5106.92,5406.67 R8_6.1@5110,5409.75 5199.29,5409.75 P2_6.2@5203.54,5414 ; U4_7.7@5060,6222.18 5061.49,6223.67 5106.92,6223.67 R8_7.1@5110,6226.75 5199.29,6226.75 P2_7.2@5203.54,6231